# Allegro board ZDRK-36-DE3-A02-20190729.brd (continued)
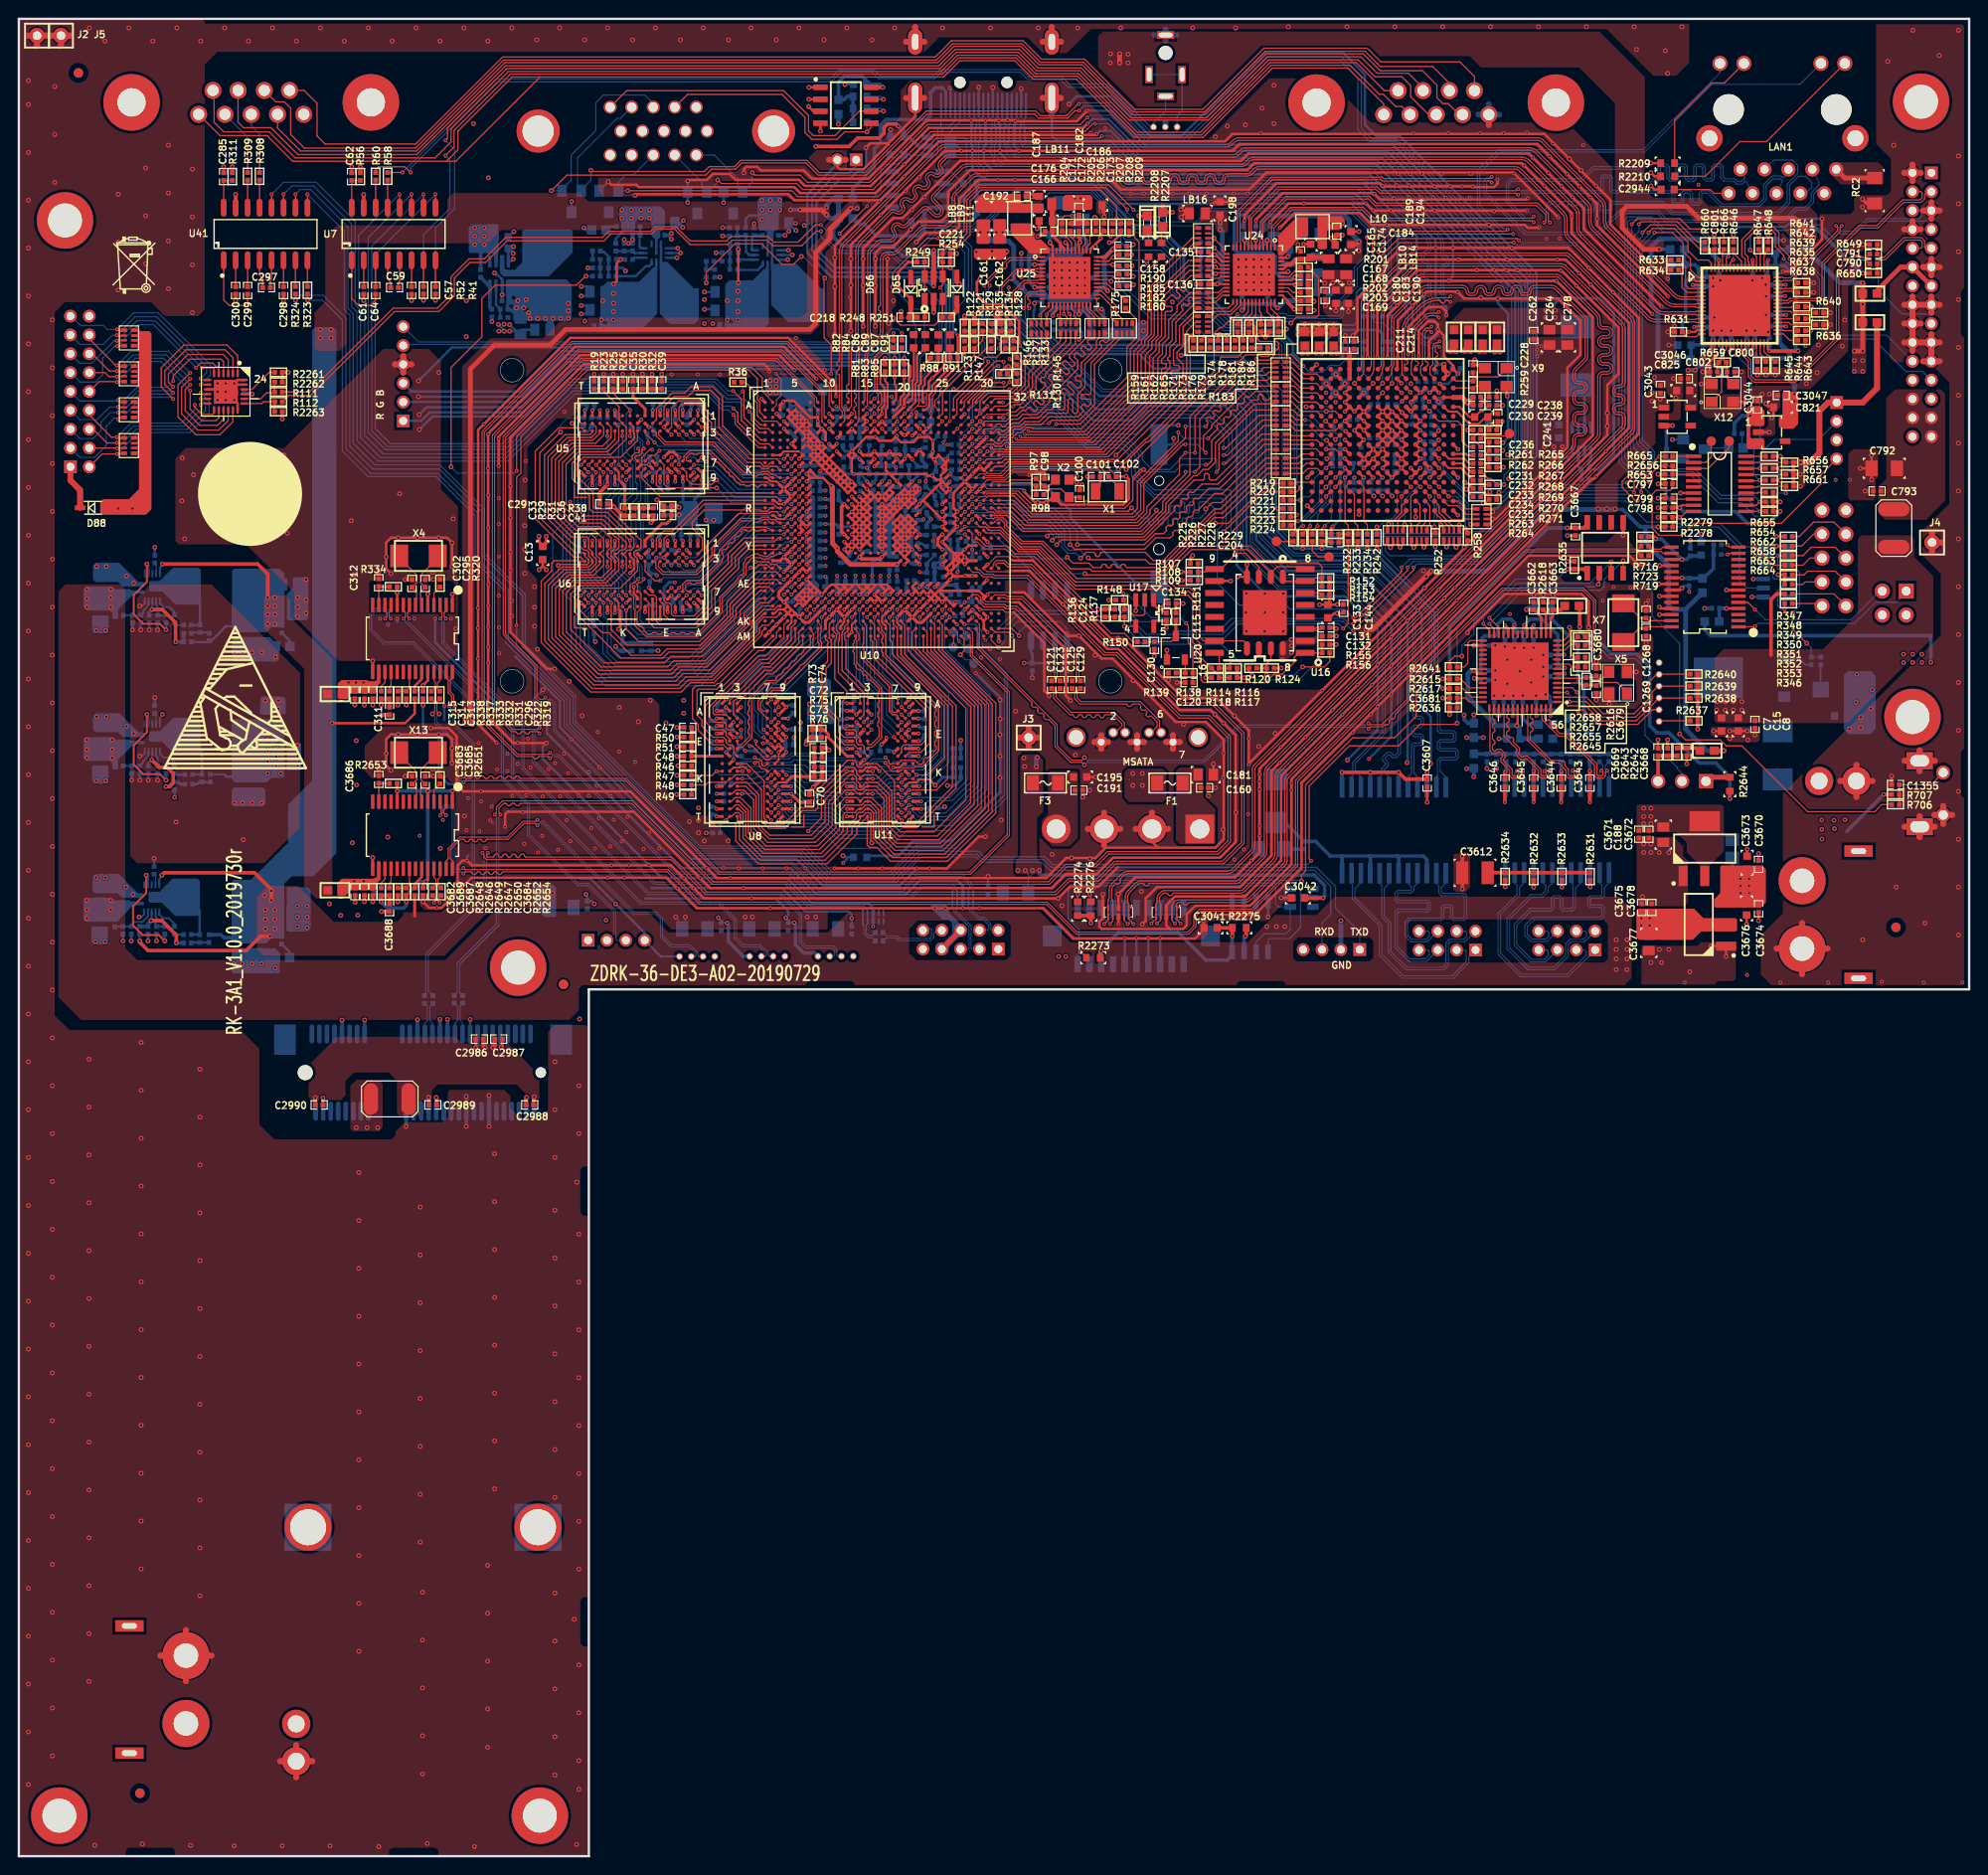
[diagram p0: board, top side]
## Routing (per net, layer and track width the routed paths; a pad name or vN(x,y) marks a point on that pad's centre or on a via; arc(x,y) is an arc through that point) (continued)
USB_EX1_DP1: length 37.8
  TOP w0.112: U1496.28 46.01,105.66 45.8,105.87 45.8,106.83 46.89,107.92 47.24,107.92 47.35,107.81 47.35,107.78 47.46,107.67 47.68,107.67 47.8,107.78 47.8,107.81 47.91,107.92 48.13,107.92 48.24,107.81 48.24,107.78 48.35,107.67 48.58,107.67 48.69,107.78 48.69,107.81 48.8,107.92 49.02,107.92 49.14,107.81 49.14,107.78 49.25,107.67 49.47,107.67 49.58,107.78 49.58,107.81 49.7,107.92 51.94,107.92 53.62,109.6 54.83,109.6 v1(55.04,109.39)
  BOTTOM w0.112: JU1.3 71.77,95.48 71.88,95.6 71.88,95.75 71.14,96.49 69.22,96.49 68.1,97.61 68.1,99.45 67.6,99.95 65.25,99.95 55.6,109.6 55.26,109.6 v1(55.04,109.39)
USB_EX2_DM: length 65.1
  TOP w0.112: U43.2 45.36,132.2 45.14,131.98 45.14,131.54 v1(45.34,131.34)
  BOTTOM w0.112: JU3.2 86.92,95.5 86.81,95.61 86.81,96.24 86.45,96.6 83.59,96.6 83.06,97.13 83.06,100.05 80.82,102.29 66.85,102.29 53.63,115.51 53.62,115.52 53.62,120.35 45.14,128.83 45.14,131.14 v1(45.34,131.34)
USB_EX2_DP: length 65.1
  TOP w0.112: U43.3 44.71,132.18 44.91,131.98 44.91,131.52 v1(44.73,131.34)
  BOTTOM w0.112: v1(44.73,131.34) 44.91,131.16 44.91,128.73 53.39,120.25 53.39,115.42 66.76,102.06 80.73,102.06 82.83,99.96 82.83,97.04 83.5,96.37 86.36,96.37 86.58,96.15 86.58,95.61 86.47,95.5 JU3.3
USB_EX3_DM: length 59.7
  TOP w0.112: v1(41.44,131.34) 41.25,131.53 41.25,131.98 41.46,132.19 U43.8
  BOTTOM w0.112: JU4.2 79.67,95.5 79.56,95.61 79.56,95.86 78.7,96.72 76.93,96.72 76.17,97.48 76.17,99.42 74.32,101.27 66.06,101.27 52.53,114.8 52.53,119.81 41.3,131.04 41.3,131.2 v1(41.44,131.34)
USB_EX3_DM1: length 163.2
  TOP w0.112: v1(45.34,110.46) 45.06,110.74 45.06,111.02 45.36,111.32 U1496.2 ; v1(47.19,104.28) 47.38,104.47 48.01,104.47 48.12,104.36 48.12,104.3 48.24,104.19 48.46,104.19 48.57,104.3 48.57,104.36 48.68,104.47 48.91,104.47 49.02,104.36 49.02,104.3 49.13,104.19 49.35,104.19 49.47,104.3 49.47,104.36 49.58,104.47 49.8,104.47 49.91,104.36 49.91,104.3 50.02,104.19 50.25,104.19 50.36,104.3 50.36,104.36 50.47,104.47 50.69,104.47 50.81,104.36 50.81,104.3 50.92,104.19 51.14,104.19 51.25,104.3 51.25,104.36 51.37,104.47 68.82,104.47 72.27,101.02 109.07,101.02 112.25,97.84 124.15,97.84 124.94,98.64 124.94,99.77 125.45,100.28 130.91,100.28 135.74,105.1 135.74,114.08 160.08,138.42 171.79,138.42 R719.2
  BOTTOM w0.112: v1(47.19,104.28) 47,104.47 46.25,104.47 46,104.72 46,111.21 45.89,111.32 45.26,111.32 45.15,111.21 45.15,110.65 v1(45.34,110.46)
USB_EX3_DP: length 59.7
  TOP w0.112: U43.9 40.81,132.19 41.02,131.98 41.02,131.53 v1(40.83,131.34)
  BOTTOM w0.112: v1(40.83,131.34) 40.83,131.23 41.07,130.99 41.07,130.95 52.3,119.72 52.3,114.71 65.96,101.04 74.23,101.04 75.95,99.32 75.95,97.38 76.83,96.49 78.6,96.49 79.33,95.77 79.33,95.61 79.21,95.5 JU4.3
USB_EX3_DP1: length 163.3
  TOP w0.112: v1(47.19,104.89) 47.38,104.7 68.91,104.7 72.36,101.24 109.17,101.24 112.34,98.07 124.05,98.07 124.71,98.73 124.71,99.86 125.36,100.51 130.82,100.51 135.51,105.2 135.51,114.17 159.98,138.65 171.84,138.65 172.19,138.99 R723.2 R716.2 ; U1496.3 44.71,111.3 44.83,111.18 44.83,110.56 v1(44.73,110.46)
  BOTTOM w0.112: v1(44.73,110.46) 44.92,110.65 44.92,111.3 45.16,111.55 45.98,111.55 46.23,111.3 46.23,104.81 46.34,104.7 47,104.7 v1(47.19,104.89)
USB_EX4_DM: length 53.1
  TOP w0.112: v1(39.49,131.34) 39.3,131.53 39.3,131.96 39.51,132.17 U43.11
  BOTTOM w0.112: JU2.2 63.13,97.91 63.13,100.24 60.38,103 59.31,103 53.98,108.33 53.98,111.58 51.21,114.35 51.21,119.26 41.84,128.63 38.73,128.63 37.21,130.15 37.21,131.8 37.85,132.44 39.05,132.44 39.3,132.19 39.3,131.85 39.49,131.66 v1(39.49,131.34)
USB_EX4_DP: length 53
  TOP w0.112: v1(38.88,131.34) 39.07,131.53 39.07,131.95 38.86,132.16 U43.12
  BOTTOM w0.112: JU2.3 63.47,97.21 63.36,97.32 63.36,100.33 60.47,103.23 59.4,103.23 54.2,108.43 54.2,111.68 51.44,114.45 51.44,119.35 41.94,128.85 38.83,128.85 37.44,130.24 37.44,131.71 37.94,132.21 38.96,132.21 39.07,132.1 39.07,131.85 38.88,131.66 v1(38.88,131.34)
VAVDD_1.8VA: length 11.3
  TOP w0.254: U32.F12 v4(148.75,152.32) U32.G12 v4(148.75,151.32) U32.H12 v4(148.75,150.32) U32.J12 v4(148.75,149.32) U32.K12 v4(148.75,148.32) U32.L12
  TOP w0.508: 155.37,160.02 LB24.2 ; 155.37,160.02 155.37,159.99 v2(155.63,159.74) ; 155.37,160.02 v2(155.07,159.72)
  BOTTOM w0.254: C324.1 148.85,149.22 v4(148.75,149.32) ; C321.1 149.12,151.95 v4(148.75,152.32) 149.12,152.69 C320.1 ; C323.1 148.96,150.11 v4(148.75,150.32) ; C322.1 149.07,151 v4(148.75,151.32) ; v4(148.75,148.32) 148.77,148.34 C325.1
VCVDD_1.8VA: length 13.4
  TOP w0.254: v4(149.75,155.32) U32.C14 v4(150.75,155.32) ; v4(147.75,154.32) U32.D12 ; v4(147.75,153.32) U32.E12 ; U32.C12 v4(148.75,155.32) U32.C13
  TOP w0.381: U32.E11 v4(147.75,153.32)
  TOP w0.508: 153.85,160.27 153.85,159.99 v2(154.13,159.72) ; 153.85,160.27 153.47,159.89 v2(153.47,159.72) ; 153.85,160.27 LB23.2
  BOTTOM w0.127: 148.11,154.46 148.11,154.56 ; 148.11,154.46 148.11,153.82 C328.1 ; 148.11,154.46 C327.1
  BOTTOM w0.254: v4(147.75,154.32) 148,154.56 148.11,154.56 148.11,154.74 148.69,155.32 v4(148.75,155.32) ; v4(149.75,155.32) 149.74,155.32 C326.1 149.02,155.32 v4(148.75,155.32) ; 147.75,154.21 147.75,154.02 148.11,153.67 v4(147.75,153.32) 147.93,153.14 C330.1 ; v4(148.75,155.32) 148.49,155.58 C329.1 ; C319.1 150.63,155.32 v4(150.75,155.32)
VDAC_REXT: length 3.4
  TOP w0.127: U10.E17 v1(91.61,151.49)
  BOTTOM w0.127: R397.2 91.59,153.52 91.31,153.52 91.19,153.39 91.19,151.92 v1(91.61,151.49)
VDVDD_1.8VA: length 20.6
  TOP w0.254: v4(142.75,148.32) U32.L7 ; v4(142.75,148.32) U32.K7 v4(143.75,149.32) ; v4(142.75,148.32) U32.L6 ; v4(142.75,148.32) U32.K6 ; U32.L7 v4(142.75,147.32) ; U32.L7 v4(143.75,148.32) ; v4(143.75,148.32) U32.K8 ; v4(143.75,148.32) U32.L8 v4(143.75,147.32) ; U32.K8 v4(143.75,149.32) ; U32.K8 144.25,148.83 v2(144.75,149.33) 145.25,148.83 U32.K9 v4(144.75,148.32) U32.L9 v4(144.75,147.32) ; v4(143.75,149.32) U32.J7
  TOP w0.508: v2(152.53,159.69) 152.32,159.89 152.32,160.12 ; 152.32,160.12 LB22.2 ; 152.32,160.12 v2(151.92,159.72)
  BOTTOM w0.254: v2(144.75,149.33) 144.48,149.61 144.32,149.61 C338.1 144.12,149.68 v4(143.75,149.32) 143.39,149.68 C340.1 ; C342.1 142.47,148.6 v4(142.75,148.32) 142.75,148.09 C343.1 142.47,147.6 v4(142.75,147.32)
  BOTTOM w0.305: v4(144.75,147.32) 145.13,146.94 C335.1 ; v2(144.75,149.33) 145.19,149.76 C332.1 C331.1 ; C334.1 145.24,147.83 v4(144.75,148.32) 145.15,148.72 C333.1
VDVDDIO_3.3VA: length 31.5
  TOP w0.254: v4(140.84,151.23) U32.H5 ; v4(140.75,147.32) U32.M5 ; U32.F5 v4(140.75,152.32) U32.G5 ; v4(140.75,149.32) U32.K5 ; v4(140.75,148.32) U32.L5 ; v4(140.75,150.32) U32.J5
  TOP w0.305: v1(139.47,141.12) 139.29,140.94 R229.1
  BOTTOM w0.203: v2(138.35,159.54) 138.33,159.56 138.33,160.43 140.39,162.48 141.68,162.48 141.99,162.79 141.99,165.96 142.42,166.4 143.38,166.4 143.64,166.14 143.64,164.36 R243.1
  BOTTOM w0.254: v4(140.75,152.32) 141.09,152.32 C345.1 ; v4(140.75,147.32) 140.75,147.13 140.26,146.63 140.26,141.91 v1(139.47,141.12)
  BOTTOM w0.305: v4(140.75,152.32) 140.36,151.92 C349.1 140.36,151.54 140.67,151.23 v4(140.84,151.23)
  BOTTOM w0.381: v4(140.75,148.32) 140.66,148.41 C347.1 ; C347.1 C348.1 140.55,147.52 v4(140.75,147.32) ; C347.1 C346.1 140.74,149.3 v4(140.75,149.32) ; R247.1 R243.1
  vias: v2(137.69,159.54)
VGA1_IN_B: length 128.1
  TOP w0.127: v2(157.51,149.17) R267.1 ; v2(64.64,176.76) 82.04,176.76 82.68,176.12 91.19,176.12 97.38,182.32 114.73,182.32 v1(114.96,182.55)
  BOTTOM w0.127: v2(64.64,176.76) D24.2 63.63,177.65 64.41,178.44 65.23,178.44 CN3.3 ; v1(114.96,182.55) 115.9,182.55 118.52,179.93 144.32,179.93 158.45,165.81 158.45,150.22 157.51,149.28 v2(157.51,149.17)
VGA1_IN_G: length 127.2
  TOP w0.127: v2(157.63,145.57) R270.1 156.24,146.2 155.96,146.2 155.24,146.91 C234.1 ; v2(74.17,177.9) 74.55,177.52 82.55,177.52 83.19,176.89 90.68,176.89 96.83,183.03 113.16,183.03 114,183.87 v1(114.22,183.87)
  BOTTOM w0.127: v2(74.17,177.9) 74.17,177.65 73.15,176.63 D25.2 72.52,177.14 72.52,177.65 CN3.2 ; v2(157.63,145.57) 157.63,146.56 158.55,147.47 158.55,149.38 159.16,149.99 159.16,166.4 144.96,180.59 118.9,180.59 115.62,183.87 v1(114.22,183.87)
VGA1_IN_HS: length 171.5
  TOP w0.127: v2(157.1,144.73) 156.87,144.5 R271.2 ; v1(112.55,185.24) 112.09,185.24 111.3,184.45 108.25,184.45 107.82,184.89 96.38,184.89 89.9,178.41 84.84,178.41 83.54,179.7 76.73,179.7 76.07,179.04 73.53,179.04 72.9,178.41 58.17,178.41 v2(56.52,176.76)
  BOTTOM w0.127: CN3.13 67.34,186 66.42,186.92 62.05,186.92 61.24,186.11 61.24,183.13 58.62,180.52 58.62,177.88 57.66,176.91 D23.1 v2(56.52,176.76) ; v1(112.55,185.24) 113.06,185.75 115.93,185.75 119.71,181.97 123.95,181.97 132.59,190.6 140.21,190.6 142.11,188.7 142.11,183.24 143.38,181.97 146.13,181.97 160.46,167.63 160.46,148.98 159.31,147.83 159.31,146.56 157.48,144.73 v2(157.1,144.73)
VGA1_IN_R: length 123.4
  TOP w0.127: R268.1 159.11,148.29 v2(159.41,148.59) ; v2(77.85,178.66) 78.11,178.41 82.93,178.41 83.69,177.65 90.3,177.65 96.42,183.77 112.65,183.77 v1(113.41,184.53)
  BOTTOM w0.127: CN3.1 73.81,180.54 76.33,178.03 76.33,177.14 D26.2 77.85,177.65 v2(77.85,178.66) ; v1(113.41,184.53) 113.49,184.53 113.72,184.76 115.85,184.76 119.33,181.28 145.52,181.28 159.82,166.98 159.82,149.63 159.41,149.22 v2(159.41,148.59)
VGA1_IN_VS: length 164.5
  TOP w0.127: v1(112.52,185.98) 112.45,185.98 111.19,184.72 108.42,184.72 107.92,185.22 96.33,185.22 89.79,178.68 84.95,178.68 83.65,179.97 76.62,179.97 75.96,179.31 73.28,179.31 72.76,178.79 60.83,178.79 v2(60.71,178.92) ; R264.2 155.47,144.58 155.91,144.58 v2(156.13,144.81)
  BOTTOM w0.127: CN3.14 63.88,184.45 63.53,184.45 59.31,180.24 59.31,177.14 D23.2 59.69,176.83 60.71,177.85 v2(60.71,178.92) ; v2(156.13,144.81) 156.69,144.25 157.56,144.25 159.59,146.28 159.59,147.73 160.73,148.87 160.73,167.74 146.23,182.25 143.61,182.25 142.49,183.36 142.49,188.82 140.34,190.98 132.46,190.98 123.72,182.25 119.84,182.25 116,186.08 112.62,186.08 v1(112.52,185.98)
VGA1_SYNC1: length 2.5
  TOP w0.203: C234.2 154.1,146.91 153.2,147.82 U32.L16
VGA_B: length 62.9
  TOP w0.203: U10.B18 93.01,153.49 93.57,154.05 93.57,154.81 93.95,155.19 93.95,156.92 v1(93.98,156.95)
  TOP w0.254: R85.1 v1(93.98,156.95)
  BOTTOM w0.254: J136.3 41.68,155.45 53.29,155.45 57.56,159.72 90.35,159.72 91.01,160.38 92.58,160.38 93.47,159.49 93.47,158.72 93.98,158.22 v1(93.98,156.95)
VGA_G: length 59.9
  TOP w0.203: U10.A18 93.12,154.6 93.12,156.03 92.96,156.18 v1(92.96,156.95)
  TOP w0.254: R83.1 v1(92.96,156.95)
  BOTTOM w0.254: v1(92.96,156.95) 92.96,157.96 92.46,158.47 92.46,159.23 92.13,159.56 91.41,159.56 90.81,158.95 57.96,158.95 53.34,154.33 J136.2
VGA_HS: length 53.3
  TOP w0.127: R82.1 v1(92.84,161.65)
  BOTTOM w0.127: J136.5 40.92,160.45 89.87,160.45 90.55,161.14 92.33,161.14 v1(92.84,161.65)
VGA_R: length 59.1
  TOP w0.203: v1(91.95,156.95) 91.95,156.57 92.2,156.31 92.2,153.72 92.03,153.54 92.03,152.7 U10.C17
  TOP w0.254: R81.1 v1(91.95,156.95)
  BOTTOM w0.254: v1(91.95,156.95) 90.7,158.19 58.5,158.19 53.53,153.22 43.6,153.22 42.7,152.33 J136.1
VGA_VS: length 55.1
  TOP w0.127: R84.1 v1(93.73,161.65)
  BOTTOM w0.127: J136.6 42.42,160.71 89.72,160.71 90.44,161.42 91.95,161.42 92.61,162.08 93.29,162.08 v1(93.73,161.65)
VI_CLK: length 43.5
  TOP w0.102: U10.R30 102.42,143.09 102.84,142.67 103.45,142.67 103.58,142.54 105.03,142.54 105.41,142.16
  TOP w0.127: v2(120.73,142.85) 120.73,142.67 118.97,140.92 106.65,140.92 105.41,142.16 ; R219.2 132.59,145.69 128.35,141.45 v2(127,141.45)
  BOTTOM w0.127: v2(120.73,142.85) 121.01,142.57 122.09,142.57 122.21,142.7 122.21,143.18 122.34,143.31 122.6,143.31 122.72,143.18 122.72,142.7 122.85,142.57 123.1,142.57 123.23,142.7 123.23,143.61 123.36,143.74 123.61,143.74 123.74,143.61 123.74,142.7 123.87,142.57 124.12,142.57 124.25,142.7 124.25,143.61 124.37,143.74 124.63,143.74 124.75,143.61 124.75,142.7 124.88,142.57 125.14,142.57 125.26,142.7 125.26,143.61 125.39,143.74 126.16,143.74 126.95,142.95 126.95,141.5 v2(127,141.45)
VI_D0: length 42.5
  TOP w0.127: RN19.5 133.27,158.56 133.1,158.39 129.9,158.39 124.31,152.81 124.31,146.63 121.41,143.74 121.41,142.88 119.15,140.61 106.53,140.61 104.85,142.29 U10.T31
VI_D1: length 41.5
  TOP w0.102: 105.59,143.03 105.52,143.09 U10.R32
  TOP w0.127: RN19.6 132.09,157.99 131.96,157.86 131.96,157.71 131.84,157.58 131.58,157.58 131.45,157.71 131.45,157.86 131.33,157.99 131.07,157.99 130.95,157.86 130.95,157.71 130.82,157.58 130.57,157.58 130.44,157.71 130.44,157.86 130.31,157.99 130,157.99 124.84,152.83 v1(124.84,148.95) ; v1(123.82,148.95) 123.19,148.31 123.19,146.66 119.71,143.18 119.71,142.54 118.69,141.53 107.09,141.53 105.59,143.03
  BOTTOM w0.127: v1(124.84,148.95) v1(123.82,148.95)
VI_D2: length 41.1
  TOP w0.102: 105.42,142.63 105.31,142.75 103.76,142.75 103.42,143.09 U10.R31
  TOP w0.127: 105.42,142.63 106.83,141.22 118.82,141.22 120.07,142.47 120.07,142.9 123.82,146.66 v1(123.82,146.91) ; RN19.7 132.65,157.49 132.33,157.18 130.05,157.18 125.35,152.48 125.35,147.42 v1(124.84,146.91)
  BOTTOM w0.127: v1(123.82,146.91) v1(124.84,146.91)
VI_D3: length 41.7
  TOP w0.102: 105.65,143.88 105.64,143.89 U10.P32
  TOP w0.127: v1(125.98,151.74) 126.17,151.93 126.17,152.24 126.04,152.37 126.04,152.55 126.22,152.73 126.4,152.73 126.53,152.6 126.71,152.6 126.89,152.77 126.89,152.95 126.75,153.09 126.75,153.27 126.93,153.45 127.11,153.45 127.25,153.31 127.43,153.31 127.61,153.49 127.61,153.67 127.47,153.81 127.47,153.99 127.65,154.17 127.83,154.17 127.97,154.03 128.15,154.03 128.33,154.21 128.33,154.39 128.19,154.53 128.19,154.71 128.37,154.89 128.55,154.89 128.69,154.75 128.87,154.75 129.05,154.93 129.05,155.11 128.91,155.25 128.91,155.43 129.09,155.61 129.27,155.61 129.41,155.47 129.59,155.47 130.76,156.64 132.49,156.64 132.76,156.92 RN19.8 ; v1(123.82,151.74) 123.82,150.52 119.08,145.77 119.08,142.85 118.36,142.14 107.39,142.14 105.65,143.88
  BOTTOM w0.127: v1(123.82,151.74) v1(125.98,151.74)
VI_D4: length 41
  TOP w0.102: U10.P31 103.21,143.88 103.61,143.48 105.59,143.48
  TOP w0.114: 105.61,143.48 105.59,143.48
  TOP w0.127: v1(123.82,149.83) 123.57,149.83 119.41,145.67 119.41,142.72 118.52,141.83 107.26,141.83 105.61,143.48 ; v1(125.98,148.95) 125.73,149.2 125.73,150.72 126.62,151.61 126.62,151.87 130.78,156.02 RN77.5
  BOTTOM w0.127: v1(123.82,149.83) 125.09,149.83 v1(125.98,148.95)
VI_D5: length 41.9
  TOP w0.102: U10.P30 102.89,144.37 104.55,144.37
  TOP w0.127: v1(123.06,151.1) 123.06,150.19 118.72,145.85 118.72,143 118.16,142.44 107.54,142.44 105.61,144.37 104.55,144.37 ; v1(126.24,150.47) 127.22,151.45 127.22,151.63 127.17,151.68 127.17,151.86 127.35,152.04 127.53,152.04 127.58,151.99 127.76,151.99 127.93,152.17 127.93,152.35 127.89,152.39 127.89,152.57 128.07,152.75 128.25,152.75 128.29,152.71 128.47,152.71 128.65,152.89 128.65,153.06 128.6,153.11 128.6,153.29 128.78,153.47 128.96,153.47 129.01,153.42 129.19,153.42 129.37,153.6 129.37,153.78 129.32,153.83 129.32,154.01 129.5,154.19 129.68,154.19 129.73,154.14 129.91,154.14 130.09,154.32 130.09,154.5 130.04,154.55 130.04,154.73 130.22,154.91 130.4,154.91 130.45,154.86 130.63,154.86 131.22,155.45 RN77.6
  BOTTOM w0.127: v1(126.24,150.47) 123.7,150.47 v1(123.06,151.1)
VI_D6: length 42.1
  TOP w0.102: U10.N30 102.6,144.88 106.07,144.88 106.36,144.59
  TOP w0.127: 106.36,144.59 107.9,143.05 117.37,143.05 118.24,143.92 118.24,146.02 ; 118.24,146.02 v2(119.38,147.17) 119.05,147.17 118.24,146.35 118.24,146.02 ; RN77.7 133.03,154.95 132.61,154.53 132.19,154.53 132.07,154.66 132.07,154.99 131.94,155.12 131.69,155.12 131.56,154.99 131.56,154.66 131.43,154.53 130.91,154.53 126.62,150.24 126.62,148.11 126.19,147.68 v1(125.98,147.68)
  BOTTOM w0.127: v1(125.98,147.68) 123.44,147.68 122.68,146.91 119.63,146.91 v2(119.38,147.17)
VI_D7: length 41.4
  TOP w0.127: RN77.8 133.16,154.13 131.17,154.13 127,149.96 127,147.93 126.25,147.18 125.72,147.18 125.04,146.51 124.69,146.51 121.74,143.56 121.74,142.77 119.28,140.31 109.37,140.31 v2(109.17,140.11) ; U10.T28 v1(101.21,142.69)
  BOTTOM w0.127: v1(101.21,142.69) 101.31,142.6 103.4,142.6 105.89,140.11 v2(109.17,140.11)
VI_D8: length 41.8
  TOP w0.127: U10.T27 v1(100.41,142.69) ; v2(109.68,139.65) 110.03,140 119.41,140 122.05,142.65 122.05,143.36 124.74,146.05 125.7,146.05 125.83,146.18 125.83,146.61 125.96,146.74 126.21,146.74 126.34,146.61 126.34,146.18 126.47,146.05 127.05,146.05 131.92,150.92 RN78.5
  BOTTOM w0.095: 103.67,142.89 101.54,142.89 101.37,143.05 100.81,143.05 100.45,142.69 v1(100.41,142.69)
  BOTTOM w0.127: 103.67,142.89 105.7,140.86 109.16,140.86 109.78,140.23 109.78,139.75 v2(109.68,139.65)
VI_D9: length 41.2
  TOP w0.127: U10.R28 v1(101.21,143.49) ; RN78.6 132.01,150.35 127.28,145.62 125.58,145.62 124.67,144.71 124.49,144.71 124.42,144.79 124.24,144.79 124.06,144.61 124.06,144.43 124.14,144.36 124.14,144.18 123.96,144 123.78,144 123.7,144.07 123.52,144.07 123.34,143.89 123.34,143.71 123.42,143.64 123.42,143.46 123.24,143.28 123.06,143.28 122.98,143.35 122.8,143.35 122.62,143.17 122.62,142.99 122.63,142.98 122.63,142.8 119.53,139.7 110.67,139.7 v2(110.16,139.19)
  BOTTOM w0.095: 103.89,143.1 101.6,143.1 v1(101.21,143.49)
  BOTTOM w0.127: v2(110.16,139.19) 110.39,139.42 110.39,140.16 109.22,141.33 105.92,141.33 104.14,143.1 103.89,143.1
VI_D10: length 42.8
  TOP w0.127: RN78.7 132.19,149.85 127.51,145.16 126.31,145.16 125.22,144.07 125.04,144.07 125,144.1 124.82,144.1 124.64,143.92 124.64,143.74 124.68,143.71 124.68,143.53 124.5,143.35 124.32,143.35 124.29,143.38 124.11,143.38 123.93,143.2 123.93,143.02 123.96,142.99 123.96,142.81 123.78,142.63 123.6,142.63 123.57,142.67 123.39,142.67 123.21,142.49 123.21,142.31 123.24,142.27 123.24,142.09 123.06,141.91 122.88,141.91 122.85,141.95 122.67,141.95 122.49,141.77 122.49,141.59 122.52,141.55 122.52,141.37 122.34,141.19 122.17,141.19 122.13,141.23 121.95,141.23 121.77,141.05 121.77,140.87 121.81,140.83 121.81,140.65 121.51,140.36 120.62,140.36 119.46,139.19 v2(112.34,139.19) ; U10.P27 v1(100.41,144.29)
  BOTTOM w0.127: v2(112.34,139.19) 112.34,140.59 109.84,143.09 106.87,143.09 105.26,144.7 100.81,144.7 100.41,144.3 v1(100.41,144.29)
VI_D11: length 41.1
  TOP w0.127: v2(111.58,139.19) 112.07,138.71 119.48,138.71 120.68,139.9 122.2,139.9 122.49,140.19 122.49,140.49 122.69,140.7 123,140.7 123.2,140.91 123.2,141.21 123.41,141.42 123.72,141.42 123.92,141.63 123.92,141.93 124.13,142.14 124.43,142.14 124.64,142.35 124.64,142.65 124.85,142.86 125.15,142.86 126.92,144.63 127.76,144.63 132.41,149.27 RN78.8 ; U10.P28 v1(101.21,144.29)
  BOTTOM w0.127: v2(111.58,139.19) 111.58,140.72 109.56,142.74 106.59,142.74 105.03,144.29 v1(101.21,144.29)
VI_D12: length 42.5
  TOP w0.102: U10.P29 102.02,144.3 102.49,144.3 102.82,144.63 104.09,144.63
  TOP w0.127: 117.73,142.75 118.06,143.08 v2(118.11,143.08) 117.78,142.75 117.73,142.75 ; 117.73,142.75 107.75,142.75 105.87,144.63 104.09,144.63 ; v2(125.98,142.98) 126.67,143.66 127.63,143.66 132.35,148.38 RN76.5
  BOTTOM w0.127: v2(125.98,142.98) 125.98,142.6 125.4,142.01 124.64,142.01 124.51,141.88 124.51,141.43 124.38,141.3 124.13,141.3 124,141.43 124,141.88 123.88,142.01 123.62,142.01 123.49,141.88 123.49,141.43 123.37,141.3 123.11,141.3 122.99,141.43 122.99,141.88 122.86,142.01 122.61,142.01 122.48,141.88 122.48,141.43 122.35,141.3 122.1,141.3 121.97,141.43 121.97,141.88 121.84,142.01 121.59,142.01 121.46,141.88 121.46,141.43 121.34,141.3 121.08,141.3 120.95,141.43 120.95,141.88 120.83,142.01 120.57,142.01 120.45,141.88 120.45,141.43 120.32,141.3 120.07,141.3 119.94,141.43 119.94,141.88 119.81,142.01 119.18,142.01 v2(118.11,143.08)
VI_D13: length 40.7
  TOP w0.127: RN76.6 132.39,147.81 127.56,142.98 126.92,142.98 121.46,137.52 120.42,137.52 119.56,138.38 114.88,138.38 114.75,138.25 114.75,138.07 114.62,137.95 114.37,137.95 114.24,138.07 114.24,138.25 114.11,138.38 113.31,138.38 v2(112.7,137.77) ; U10.R29 v1(102.01,143.49)
  BOTTOM w0.127: v2(112.7,137.77) 112.18,138.29 111.32,138.29 110.69,138.91 110.69,140.39 109.31,141.77 106.16,141.77 104.44,143.49 v1(102.01,143.49)
VI_D14: length 41.7
  TOP w0.127: RN76.7 132.52,147.31 127.76,142.54 126.92,142.54 121.51,137.13 120.04,137.13 119.58,137.59 113.71,137.59 v2(113.51,137.79) ; U10.R27 v1(100.41,143.49)
  BOTTOM w0.127: v1(100.41,143.49) 100.41,143.49 100.79,143.87 104.75,143.87 106.31,142.3 109.41,142.3 111,140.72 111,139.04 111.43,138.61 112.7,138.61 v2(113.51,137.79)
VI_D15: length 40.8
  TOP w0.127: RN76.8 132.56,146.73 127.89,142.06 126.9,142.06 121.59,136.75 117.61,136.75 117.48,136.88 117.48,136.98 117.35,137.11 117.1,137.11 116.97,136.98 116.97,136.88 116.84,136.75 116.59,136.75 116.46,136.88 116.46,136.98 116.34,137.11 116.08,137.11 115.95,136.98 115.95,136.88 115.83,136.75 115.57,136.75 115.45,136.88 115.45,136.98 115.32,137.11 115.07,137.11 114.94,136.98 114.94,136.88 114.81,136.75 114.05,136.75 113.56,137.24 111.89,137.24 v2(111.28,137.85) ; U10.U28 v1(101.2,141.88)
  BOTTOM w0.127: v2(111.28,137.85) 111.12,137.69 107.57,137.69 102.97,142.29 101.57,142.29 101.2,141.92 v1(101.2,141.88)
VOU1120_DATA5/I2S0_WS_RX: length 44.5
  TOP w0.127: U10.E26 v1(99.61,151.49) ; RN75.6 131.6,152.91 128.14,149.45 v1(127.89,149.45)
  BOTTOM w0.127: v1(127.89,149.45) 127.89,150.85 126.11,152.63 120.27,152.63 118.57,150.93 113.68,150.93 110.59,154.03 108.43,154.03 106.83,155.63 106.83,156.18 105.82,157.2 104.27,157.2 100.86,153.8 100.86,152.74 v1(99.61,151.49)
VOU1120_DATA6/I2S0_BCLK_RX: length 47.3
  TOP w0.127: v1(104.52,158.6) 104.44,158.67 103.68,158.67 103.28,158.27 103.28,158.26 100.18,155.17 100.18,155.17 99.57,154.56 99.57,153.05 U10.C26 ; RN75.7 131.99,152.41 128.27,148.69 v1(127.89,148.69)
  BOTTOM w0.127: v1(127.89,148.69) 128.4,149.2 128.4,150.98 126.37,153.01 120.02,153.01 118.52,151.51 113.64,151.51 110.74,154.41 108.64,154.41 107.26,155.78 107.26,156.31 105.99,157.58 104.78,157.58 104.52,157.84 v1(104.52,158.6)
VOU1120_DATA8/I2S0_MCLK: length 40.4
  TOP w0.127: v1(105.16,158.9) 105.79,158.27 R145.2 ; v1(127.89,147.8) 128.14,147.8 132.18,151.84 RN75.8
  BOTTOM w0.127: v1(127.89,147.8) 128.78,148.69 128.78,151.28 126.67,153.39 119.76,153.39 118.29,151.92 113.82,151.92 110.95,154.79 108.89,154.79 107.72,155.96 107.72,156.59 105.41,158.9 v1(105.16,158.9)
VPVDD_1.8VA: length 5.8
  TOP w0.254: U32.D16 U32.D15
  TOP w0.508: v2(154.33,154.43) 154.33,154.84 C229.1 ; v2(154.33,154.43) 153.95,154.43 v2(153.77,154.25) 153.21,154.82 U32.D16 ; v2(154.33,154.43) 154.33,154 C230.1 ; 156.9,160.12 LB25.2 ; 156.9,160.12 156.9,159.97 v2(157.2,159.66) ; 156.9,160.12 156.64,159.87 v2(156.64,159.66)
VSRAM_3.3V: length 7.3
  TOP w0.254: U32.M7 v4(143.75,146.32) ; U32.M8 v4(144.75,146.32) ; U32.M9 v4(145.75,146.32) U32.M10 ; U32.M6 v4(142.75,146.32)
  BOTTOM w0.305: v4(144.75,146.32) 144.37,145.94 C337.1 ; v4(145.75,146.32) 145.26,145.82 C336.1 ; v4(142.75,146.32) 142.6,146.16 C341.1 ; C339.1 143.48,146.05 v4(143.75,146.32) ; v4(141.75,146.32) 141.71,146.27 C344.1
  BOTTOM w0.381: v2(136.22,159.51) v2(136.86,159.51)
VTVDD_3.3VA: length 6.3
  TOP w0.381: U32.B15 151.25,156.87 v4(151.7,157.31)
  TOP w0.457: 141.25,159.52 U32.A5 U32.B5
  TOP w0.508: v4(151.7,157.31) 151.25,157.76 U32.A15 v2(151.25,158.34) ; 141.25,159.52 141.22,159.52
  BOTTOM w0.305: v2(151.25,158.34) 151.28,158.32 C220.1 ; C222.1 152.15,157.76 v4(151.7,157.31)
  vias: v2(139.27,159.54) v2(139.88,159.54)
WDG_RSTN: length 23.2
  TOP w0.102: 105.56,137.93 105.59,137.93 ; 104.75,138.73 102.47,138.73 101.73,139.47 101.37,139.47 101.19,139.65 101.19,140.31 100.81,140.69 U10.V28
  TOP w0.127: 104.75,138.73 105.56,137.93 ; R150.1 118.24,128.88 117.35,129.77 115.95,129.77 107.79,137.93 105.59,137.93
X7842_1_XTI: length 7.2
  TOP w0.127: R259.1 154.79,157 156.99,157 X9.1 ; R259.1 C228.2 ; R259.1 152.51,156.57 U32.B16
X7842_1_XTO: length 4.8
  TOP w0.127: C238.2 156.06,155.58 X9.3 154.63,156.02 R259.2 154.29,155.82 U32.C16
XIN: length 7.8
  TOP w0.102: U10.M31 103.21,145.68 103.38,145.85 105,145.85
  TOP w0.127: X2.1 109.32,145.39 108.79,145.39 R97.1 107.57,146.2 107.42,146.05 105.21,146.05 105,145.85
XOUT: length 5.1
  TOP w0.102: U10.M32 105.16,145.49
  TOP w0.127: 105.16,145.49 105.41,145.75 107.42,145.75 107.77,145.39 107.98,145.39 R98.2
XTALI_LT9721: length 7.1
  TOP w0.114: C802.2 180.29,158.42 R659.1
  TOP w0.127: U66.20 180.84,159.96 180.67,159.79 180.67,158.8 R659.1 ; X12.1 180.72,155.39 180.72,157.1 C802.2
XTALO_LT9721: length 4.8
  TOP w0.114: C800.2 181.31,156.92 X12.3
  TOP w0.127: C800.2 181.31,158.47 R659.2 180.98,158.8 180.98,159.69 181.24,159.95 U66.21
N72531: length 3
  BOTTOM w0.254: R40.2 R37.1 C37.1 65.34,170.15 U4.5
N72551: length 4.6
  BOTTOM w0.254: U9.5 77.53,169.94 77.18,170.3 77.18,172 R65.2 77.08,171.95 C66.1 R68.1
N72571: length 1.8
  BOTTOM w0.254: U9.4 76.42,169.44 C65.1
N72627: length 1.8
  BOTTOM w0.254: R77.2 R78.1 C71.1
N72639: length 0.9
  BOTTOM w0.114: R71.2 R77.1
N72643: length 1.8
  BOTTOM w0.254: R55.1 C53.1 R54.2
N72655: length 0.9
  BOTTOM w0.254: R54.1 R53.2
N72679: length 1.2
  BOTTOM w0.254: U4.4 65.33,169.65 C40.1
N72683: length 2.8
  BOTTOM w0.254: U9.6 78,170.44 77.82,170.62 77.82,171.8 R59.1 R57.2
